# Altium PCB PCBv2.PcbDoc (part 2 of 2)
Units mil, origin at the board's own origin, x right, y up, seen from the top; angles counter-clockwise.
Board outline 3566.19 x 4857.71 mil, 2 copper layers (Top Layer, Bottom Layer), stack 42.17 mil thick; 108 components, 63 nets, 369 pads, 2924 vias.
Unrouted connection lines stored in the file: 1.
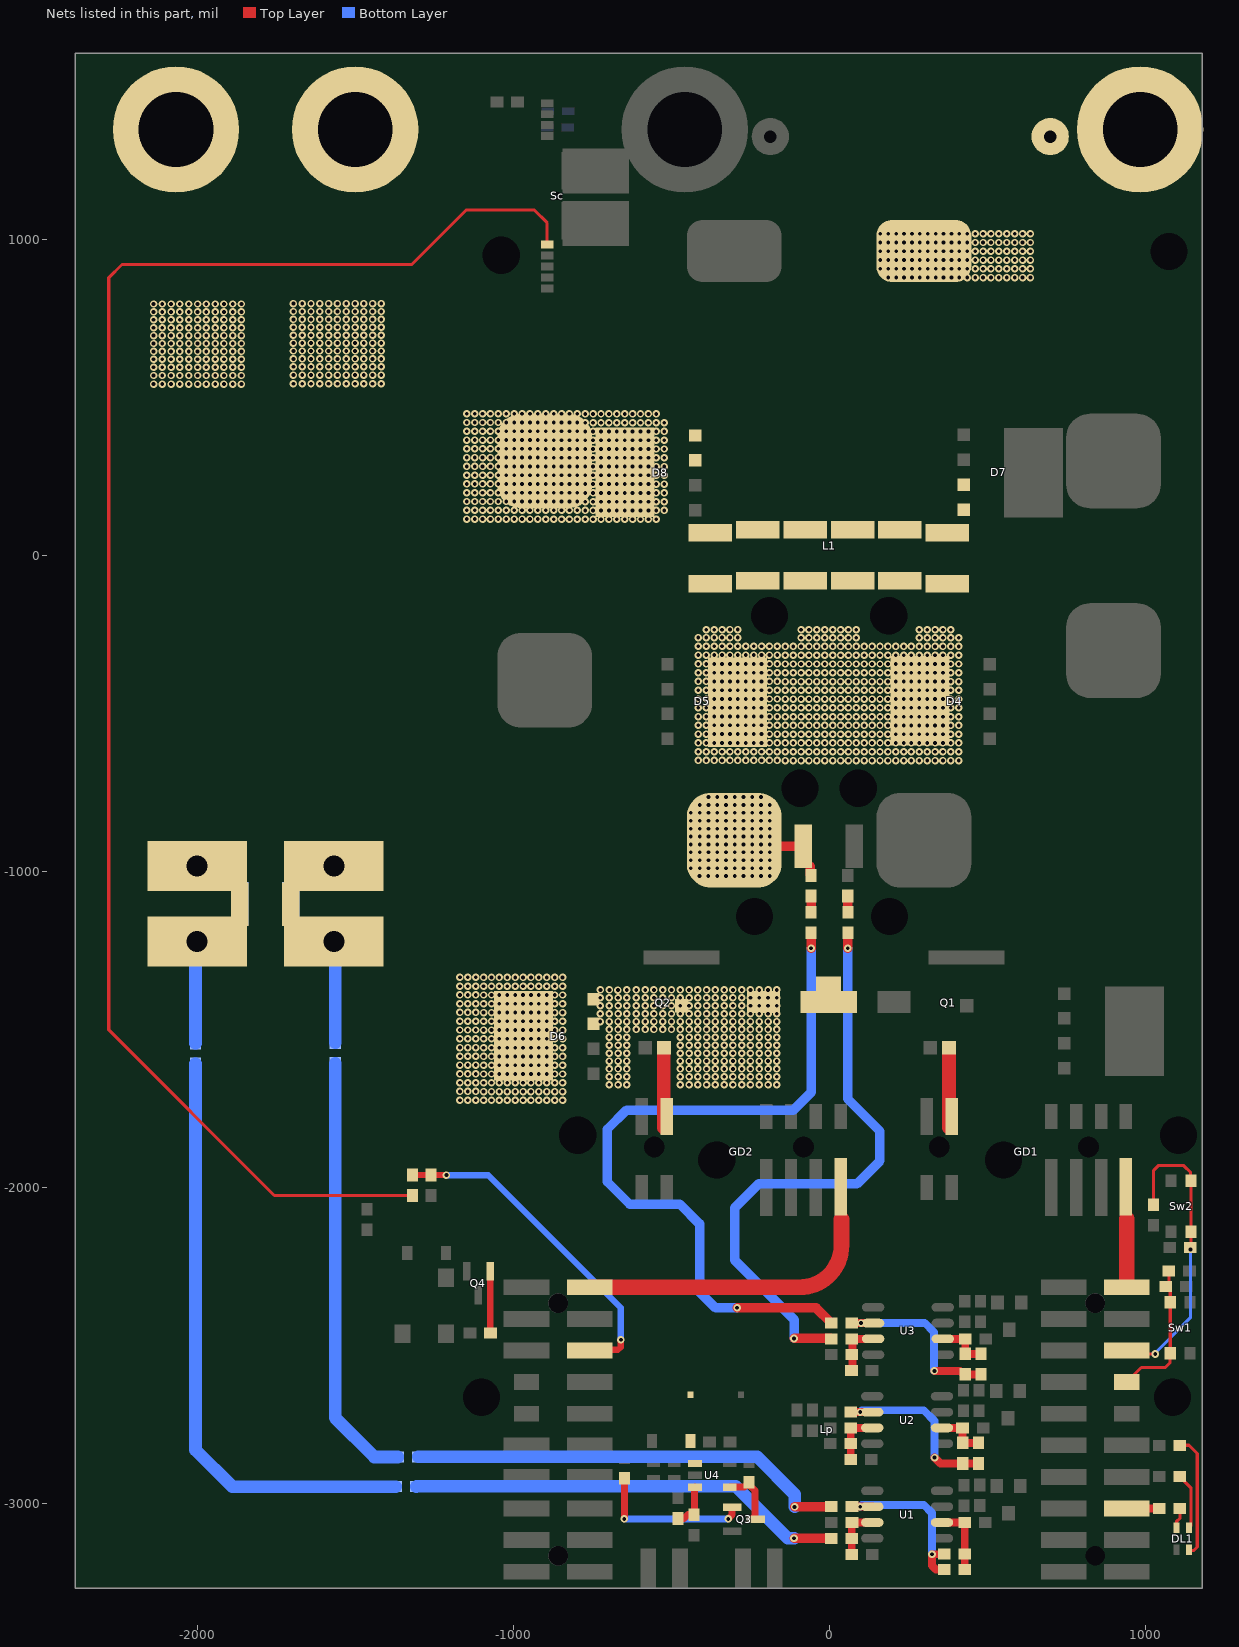
[diagram p2: the nets of this part, all layers, seen from the top]

## Via types
v1: diameter 23.62, hole 11.81, Top Layer to Bottom Layer, tented both sides, 2824 vias
v2: diameter 24, hole 12, Top Layer to Bottom Layer, tented both sides, 88 vias
v3: diameter 40, hole 24, Top Layer to Bottom Layer, tented both sides, 10 vias
v4: diameter 39.37, hole 19.68, Top Layer to Bottom Layer, 2 vias

## Nets (pads, with @x,y where several pads share a name; then routed paths per layer and width w, separated by ;. In a path a pad name is that pad's centre, name@x,y a point inside that pad or via, vN(x,y) a via of type N, cw(c..) or ccw(c..) an arc to the next point about the centre after c; other vN are vias at no path point) (continued)
NetD6_1: D6.1 D11.2 Q2.S
  other v1: -695.67,-1674 -667.89,-1674 -640.11,-1674 -471,-1674 -443.22,-1674 -415.44,-1674 -387.67,-1674 -359.89,-1674 -332.11,-1674 -304.33,-1674 -276.56,-1674 -248.78,-1674 -221,-1674 -193.22,-1674 -165.45,-1674 -695.67,-1649 -667.89,-1649 -640.11,-1649 -471,-1649 -443.22,-1649 -415.44,-1649 -387.67,-1649 -359.89,-1649 -332.11,-1649 -304.33,-1649 -276.56,-1649 -248.78,-1649 -221,-1649 -193.22,-1649 -165.45,-1649 -695.67,-1624 -667.89,-1624 -640.11,-1624 -471,-1624 -443.22,-1624 -415.44,-1624 -387.67,-1624 -359.89,-1624 -332.11,-1624 -304.33,-1624 -276.56,-1624 -248.78,-1624 -221,-1624 -193.22,-1624 -165.45,-1624 -695.67,-1599 -667.89,-1599 -640.11,-1599 -471,-1599 -443.22,-1599 -415.44,-1599 -387.67,-1599 -359.89,-1599 -332.11,-1599 -304.33,-1599 -276.56,-1599 -248.78,-1599 -221,-1599 -193.22,-1599 -165.45,-1599 -695.67,-1574 -667.89,-1574 -640.11,-1574 -471,-1574 -443.22,-1574 -415.44,-1574 -387.67,-1574 -359.89,-1574 -332.11,-1574 -304.33,-1574 -276.56,-1574 -248.78,-1574 -221,-1574 -193.22,-1574 -165.45,-1574 -695.67,-1549 -667.89,-1549 -640.11,-1549 -471,-1549 -443.22,-1549 -415.44,-1549 -387.67,-1549 -359.89,-1549 -332.11,-1549 -304.33,-1549 -276.56,-1549 -248.78,-1549 -221,-1549 -193.22,-1549 -165.45,-1549 -695.67,-1524 -667.89,-1524 -640.11,-1524 -471,-1524 -443.22,-1524 -415.44,-1524 -387.67,-1524 -359.89,-1524 -332.11,-1524 -304.33,-1524 -276.56,-1524 -248.78,-1524 -221,-1524 -193.22,-1524 -165.45,-1524 -695.67,-1499 -667.89,-1499 -640.11,-1499 -609.89,-1499 -582.11,-1499 -554.33,-1499 -526.56,-1499 -498.78,-1499 -471,-1499 -443.22,-1499 -415.44,-1499 -387.67,-1499 -359.89,-1499 -332.11,-1499 -304.33,-1499 -276.56,-1499 -248.78,-1499 -221,-1499 -193.22,-1499 -165.45,-1499 -724.22,-1474 -695.67,-1474 -667.89,-1474 -640.11,-1474 -609.89,-1474 -582.11,-1474 -554.33,-1474 -526.56,-1474 -498.78,-1474 -471,-1474 -443.22,-1474 -415.44,-1474 -387.67,-1474 -359.89,-1474 -332.11,-1474 -304.33,-1474 -276.56,-1474 -248.78,-1474 -221,-1474 -193.22,-1474 -165.45,-1474 -724.22,-1449 -695.67,-1449 -667.89,-1449 -640.11,-1449 -609.89,-1449 -582.11,-1449 -554.33,-1449 -526.56,-1449 -498.78,-1449 -471,-1449 -443.22,-1449 -415.44,-1449 -387.67,-1449 -359.89,-1449 -332.11,-1449 -304.33,-1449 -276.56,-1449 -248.78,-1449 -221,-1449 -193.22,-1449 -165.45,-1449 -724.22,-1424 -695.67,-1424 -667.89,-1424 -640.11,-1424 -609.89,-1424 -582.11,-1424 -554.33,-1424 -526.56,-1424 -498.78,-1424 -471,-1424 -443.22,-1424 -415.44,-1424 -387.67,-1424 -359.89,-1424 -332.11,-1424 -304.33,-1424 -276.56,-1424 -248.78,-1424 -221,-1424 -193.22,-1424 -165.45,-1424 -724.22,-1399 -695.67,-1399 -667.89,-1399 -640.11,-1399 -609.89,-1399 -582.11,-1399 -554.33,-1399 -526.56,-1399 -498.78,-1399 -471,-1399 -443.22,-1399 -415.44,-1399 -387.67,-1399 -359.89,-1399 -332.11,-1399 -304.33,-1399 -276.56,-1399 -248.78,-1399 -221,-1399 -193.22,-1399 -165.45,-1399 -723.78,-1374 -695.22,-1374 -668.22,-1374.28 -640.11,-1374 -609.89,-1374 -582.11,-1374 -554.33,-1374 -526.56,-1374 -498.78,-1374 -471,-1374 -443.22,-1374 -415.44,-1374 -387.67,-1374 -359.89,-1374 -332.11,-1374 -304.33,-1374 -276.56,-1374 -248.78,-1374 -221,-1374 -193.22,-1374 -165.45,-1374
NetD6_2: D6.2 D8.2 L1.4
  other v1: -1168.46,-1722.97 -1143.46,-1722.97 -1118.46,-1722.97 -1093.46,-1723.26 -1068.46,-1723.26 -1043.46,-1723.26 -1018.46,-1723.26 -993.46,-1723.26 -968.46,-1723.26 -943.46,-1723.26 -918.46,-1723.26 -893.46,-1723.26 -868.46,-1723.26 -843.46,-1723.26 -1168.46,-1695.19 -1143.46,-1695.19 -1118.46,-1695.19 -1093.46,-1695.48 -1068.46,-1695.48 -1043.46,-1695.48 -1018.46,-1695.48 -993.46,-1695.48 -968.46,-1695.48 -943.46,-1695.48 -918.46,-1695.48 -893.46,-1695.48 -868.46,-1695.48 -843.46,-1695.48 -1168.46,-1667.41 -1143.46,-1667.41 -1118.46,-1667.41 -1093.46,-1667.71 -1068.46,-1667.71 -1043.46,-1667.71 -1018.46,-1667.71 -993.46,-1667.71 -968.46,-1667.71 -943.46,-1667.71 -918.46,-1667.71 -893.46,-1667.71 -868.46,-1667.71 -843.46,-1667.71 -1093.46,-1639.89 -1068.46,-1639.89 -1043.46,-1639.89 -1018.46,-1639.89 -993.46,-1639.89 -968.46,-1639.89 -943.46,-1639.89 -918.46,-1639.89 -893.46,-1639.89 -868.46,-1639.89 -843.46,-1639.89 -1168.46,-1639.59 -1143.46,-1639.59 -1118.46,-1639.59 -1168.46,-1611.82 -1143.46,-1611.82 -1118.46,-1611.82 -1093.46,-1612.11 -1068.46,-1612.11 -1043.46,-1612.11 -1018.46,-1612.11 -993.46,-1612.11 -968.46,-1612.11 -943.46,-1612.11 -918.46,-1612.11 -893.46,-1612.11 -868.46,-1612.11 -843.46,-1612.11 -1168.46,-1584.04 -1143.46,-1584.04 -1118.46,-1584.04 -1093.46,-1584.33 -1068.46,-1584.33 -1043.46,-1584.33 -1018.46,-1584.33 -993.46,-1584.33 -968.46,-1584.33 -943.46,-1584.33 -918.46,-1584.33 -893.46,-1584.33 -868.46,-1584.33 -843.46,-1584.33 -1168.46,-1556.26 -1143.46,-1556.26 -1118.46,-1556.26 -1093.46,-1556.55 -1068.46,-1556.55 -1043.46,-1556.55 -1018.46,-1556.55 -993.46,-1556.55 -968.46,-1556.55 -943.46,-1556.55 -918.46,-1556.55 -893.46,-1556.55 -868.46,-1556.55 -843.46,-1556.55 -1168.46,-1528.48 -1143.46,-1528.48 -1118.46,-1528.48 -1093.46,-1528.78 -1068.46,-1528.78 -1043.46,-1528.78 -1018.46,-1528.78 -993.46,-1528.78 -968.46,-1528.78 -943.46,-1528.78 -918.46,-1528.78 -893.46,-1528.78 -868.46,-1528.78 -843.46,-1528.78 -1093.46,-1501 -1068.46,-1501 -1043.46,-1501 -1018.46,-1501 -993.46,-1501 -968.46,-1501 -943.46,-1501 -918.46,-1501 -893.46,-1501 -868.46,-1501 -843.46,-1501 -1168.46,-1500.7 -1143.46,-1500.7 -1118.46,-1500.7 -1168.46,-1472.93 -1143.46,-1472.93 -1118.46,-1472.93 -1093.46,-1473.22 -1068.46,-1473.22 -1043.46,-1473.22 -1018.46,-1473.22 -993.46,-1473.22 -968.46,-1473.22 -943.46,-1473.22 -918.46,-1473.22 -893.46,-1473.22 -868.46,-1473.22 -843.46,-1473.22 -1168.46,-1445.15 -1143.46,-1445.15 -1118.46,-1445.15 -1093.46,-1445.44 -1068.46,-1445.44 -1043.46,-1445.44 -1018.46,-1445.44 -993.46,-1445.44 -968.46,-1445.44 -943.46,-1445.44 -918.46,-1445.44 -893.46,-1445.44 -868.46,-1445.44 -843.46,-1445.44 -1168.46,-1417.37 -1143.46,-1417.37 -1118.46,-1417.37 -1093.46,-1417.66 -1068.46,-1417.66 -1043.46,-1417.66 -1018.46,-1417.66 -993.46,-1417.66 -968.46,-1417.66 -943.46,-1417.66 -918.46,-1417.66 -893.46,-1417.66 -868.46,-1417.66 -843.46,-1417.66 -1093.46,-1389.89 -1068.46,-1389.89 -1043.46,-1389.89 -1018.46,-1389.89 -993.46,-1389.89 -968.46,-1389.89 -943.46,-1389.89 -918.46,-1389.89 -893.46,-1389.89 -868.46,-1389.89 -843.46,-1389.89 -1168.46,-1389.59 -1143.46,-1389.59 -1118.46,-1389.59 -1168.46,-1361.82 -1143.46,-1361.82 -1118.46,-1361.82 -1093.46,-1362.11 -1068.46,-1362.11 -1043.46,-1362.11 -1018.46,-1362.11 -993.46,-1362.11 -968.46,-1362.11 -943.46,-1362.11 -918.46,-1362.11 -893.46,-1362.11 -868.46,-1362.11 -843.46,-1362.11 -1168.46,-1334.04 -1143.46,-1334.04 -1118.46,-1334.04 -1093.46,-1334.33 -1068.46,-1334.33 -1043.46,-1334.33 -1018.46,-1334.33 -993.46,-1334.33 -968.46,-1334.33 -943.46,-1334.33 -918.46,-1334.33 -893.46,-1334.33 -868.46,-1334.33 -843.46,-1334.33 -896.81,116.11 -871.81,116.11 -846.81,116.11 -846.81,116.11 -821.81,116.11 -796.81,116.11 -771.81,115.82 -746.81,115.82 -721.81,115.82 -696.81,115.82 -671.81,115.82 -646.81,115.82 -621.81,115.82 -596.81,115.82 -571.81,115.82 -546.81,115.82 -1146.81,116.4 -1121.81,116.4 -1096.81,116.4 -1071.81,116.4 -1046.81,116.4 -1021.81,116.4 -996.81,116.4 -971.81,116.4 -946.81,116.4 -921.81,116.4 -1146.81,144.18 -1121.81,144.18 -1096.81,144.18 -1071.81,144.18 -1046.81,144.18 -1021.81,144.18 -996.81,144.18 -971.81,144.18 -946.81,144.18 -921.81,144.18 -896.81,143.89 -871.81,143.89 -846.81,143.93 -846.81,143.89 -821.81,143.93 -796.81,143.93 -771.81,143.63 -746.81,143.63 -721.81,143.63 -696.81,143.63 -671.81,143.63 -646.81,143.63 -621.81,143.63 -596.81,143.63 -571.81,143.63 -546.81,143.63 -521.81,143.63 -1146.81,171.96 -1121.81,171.96 -1096.81,171.96 -1071.81,171.96 -1046.81,171.96 -1021.81,171.96 -996.81,171.96 -971.81,171.96 -946.81,171.96 -921.81,171.96 -896.81,171.66 -871.81,171.66 -846.81,171.71 -846.81,171.66 -821.81,171.71 -796.81,171.71 -771.81,171.41 -746.81,171.41 -721.81,171.41 -696.81,171.41 -671.81,171.41 -646.81,171.41 -621.81,171.41 -596.81,171.41 -571.81,171.41 -546.81,171.41 -521.81,171.41 -771.81,199.19 -746.81,199.19 -721.81,199.19 -696.81,199.19 -671.81,199.19 -646.81,199.19 -621.81,199.19 -596.81,199.19 -571.81,199.19 -546.81,199.19 -521.81,199.19 -1146.81,199.73 -1121.81,199.73 -1096.81,199.73 -1071.81,199.73 -1046.81,199.73 -1021.81,199.73 -996.81,199.73 -971.81,199.73 -946.81,199.73 -921.81,199.73 -896.81,199.44 -871.81,199.44 -846.81,199.44 -846.81,199.48 -821.81,199.48 -796.81,199.48 -896.81,227.22 -871.81,227.22 -846.81,227.22 -771.81,226.97 -746.81,226.97 -721.81,226.97 -696.81,226.97 -671.81,226.97 -646.81,226.97 -621.81,226.97 -596.81,226.97 -571.81,226.97 -546.81,226.97 -521.81,226.97 -1146.81,227.51 -1121.81,227.51 -1096.81,227.51 -1071.81,227.51 -1046.81,227.51 -1021.81,227.51 -996.81,227.51 -971.81,227.51 -946.81,227.51 -921.81,227.51 -846.81,227.26 -821.81,227.26 -796.81,227.26 -896.81,255 -871.81,255 -846.81,255.04 -846.81,255 -821.81,255.04 -796.81,255.04 -771.81,254.75 -746.81,254.75 -721.81,254.75 -696.81,254.75 -671.81,254.75 -646.81,254.75 -621.81,254.75 -596.81,254.75 -571.81,254.75 -546.81,254.75 -521.81,254.75 -1146.81,255.29 -1121.81,255.29 -1096.81,255.29 -1071.81,255.29 -1046.81,255.29 -1021.81,255.29 -996.81,255.29 -971.81,255.29 -946.81,255.29 -921.81,255.29 -1146.81,283.07 -1121.81,283.07 -1096.81,283.07 -1071.81,283.07 -1046.81,283.07 -1021.81,283.07 -996.81,283.07 -971.81,283.07 -946.81,283.07 -921.81,283.07 -896.81,282.77 -871.81,282.77 -846.81,282.77 -846.81,282.82 -821.81,282.82 -796.81,282.82 -771.81,282.52 -746.81,282.52 -721.81,282.52 -696.81,282.52 -671.81,282.52 -646.81,282.52 -621.81,282.52 -596.81,282.52 -571.81,282.52 -546.81,282.52 -521.81,282.52 -1146.81,310.85 -1121.81,310.85 -1096.81,310.85 -1071.81,310.85 -1046.81,310.85 -1021.81,310.85 -996.81,310.85 -971.81,310.85 -946.81,310.85 -921.81,310.85 -896.81,310.55 -871.81,310.55 -846.81,310.59 -846.81,310.55 -821.81,310.59 -796.81,310.59 -771.81,310.3 -746.81,310.3 -721.81,310.3 -696.81,310.3 -671.81,310.3 -646.81,310.3 -621.81,310.3 -596.81,310.3 -571.81,310.3 -546.81,310.3 -521.81,310.3 -771.81,338.08 -746.81,338.08 -721.81,338.08 -696.81,338.08 -671.81,338.08 -646.81,338.08 -621.81,338.08 -596.81,338.08 -571.81,338.08 -546.81,338.08 -521.81,338.08 -1146.81,338.62 -1121.81,338.62 -1096.81,338.62 -1071.81,338.62 -1046.81,338.62 -1021.81,338.62 -996.81,338.62 -971.81,338.62 -946.81,338.62 -921.81,338.62 -896.81,338.33 -871.81,338.33 -846.81,338.33 -846.81,338.37 -821.81,338.37 -796.81,338.37 -896.81,366.11 -871.81,366.11 -846.81,366.11 -846.81,366.15 -821.81,366.15 -796.81,366.15 -771.81,365.86 -746.81,365.86 -721.81,365.86 -696.81,365.86 -671.81,365.86 -646.81,365.86 -621.81,365.86 -596.81,365.86 -571.81,365.86 -546.81,365.86 -521.81,365.86 -1146.81,366.4 -1121.81,366.4 -1096.81,366.4 -1071.81,366.4 -1046.81,366.4 -1021.81,366.4 -996.81,366.4 -971.81,366.4 -946.81,366.4 -921.81,366.4 -1146.81,394.22 -1121.81,394.22 -1096.81,394.22 -1071.81,394.22 -1046.81,394.22 -1021.81,394.22 -996.81,394.22 -971.81,394.22 -946.81,394.22 -921.81,394.22 -896.81,393.93 -871.81,393.93 -846.81,393.93 -846.81,393.93 -821.81,393.93 -796.81,393.93 -771.81,393.63 -746.81,393.63 -721.81,393.63 -696.81,393.63 -671.81,393.63 -646.81,393.63 -621.81,393.63 -596.81,393.63 -571.81,393.63 -546.81,393.63 -521.81,393.63 -1146.81,422 -1121.81,422 -1096.81,422 -1071.81,422 -1046.81,422 -1021.81,422 -996.81,422 -971.81,422 -946.81,422 -921.81,422 -896.81,421.7 -871.81,421.7 -846.81,421.7 -846.81,421.7 -821.81,421.7 -796.81,421.7 -771.81,421.41 -746.81,421.41 -721.81,421.41 -696.81,421.41 -671.81,421.41 -646.81,421.41 -621.81,421.41 -596.81,421.41 -571.81,421.41 -546.81,421.41 -521.81,421.41 -771.81,449.19 -746.81,449.19 -721.81,449.19 -696.81,449.19 -671.81,449.19 -646.81,449.19 -621.81,449.19 -596.81,449.19 -571.81,449.19 -546.81,449.19 -1146.81,449.78 -1121.81,449.78 -1096.81,449.78 -1071.81,449.78 -1046.81,449.78 -1021.81,449.78 -996.81,449.78 -971.81,449.78 -946.81,449.78 -921.81,449.78 -896.81,449.48 -871.81,449.48 -846.81,449.48 -846.81,449.48 -821.81,449.48 -796.81,449.48
NetD9_A: D9.A L2.2 U4.1
NetDL1_B: DL1.B R36.2 | length 397.5
  Top Layer w10: R36.2@1109.5,-2815 1139,-2815 1165,-2841 1165,-3137 1154,-3148 1141.24,-3148 DL1.B@1138.69,-3145.45 DL1.B@1140.99,-3143.14
NetDL1_G: DL1.G R35.2 | length 181.3
  Top Layer w10: R35.2@1109.5,-2914 1112,-2914 1124.5,-2926.5 1124.5,-2929 1145,-2949.5 1145,-3070.24 DL1.G@1138.69,-3076.55
NetDL1_R: DL1.R R34.2 | length 76.9
  Top Layer w10: DL1.R@1101,-3078.24 DL1.R@1099.32,-3076.55 1099.32,-3056.68 1111,-3045 1111,-3016.75 R34.2@1109.5,-3015.25 R34.2@1101.72,-3015.25
NetLp_8a: Lp.8a R42.1 R43.2 | length 1060.1
  Top Layer w20: R42.1@-1318,-1959.5 R43.2@-1260,-1959.5 -1259.75,-1959.75 -1211.25,-1959.75 v2(-1211,-1960) ; Lp.8a@-757.65,-2515 -755.65,-2513 -668.48,-2513 -659.77,-2504.28 -659.77,-2481.77 v2(-659,-2481)
  Bottom Layer w20: v2(-1211,-1960) -1079,-1960 -659,-2380 v2(-659,-2481)
NetQ3_1: Q3.1 R30.2 | length 499.3
  Top Layer w22: v2(-648,-3048) R30.2@-648,-2919.5 ; v2(-319,-3048) -319,-3047.46 -307.6,-3036.06 -307.6,-3012.41 -306.79,-3011.6 Q3.1@-306.4,-3011.6
  Bottom Layer w22: v2(-648,-3048) v2(-319,-3048)
NetQ3_3: Q3.3 R29.1 U4.4 | length 185.1
  Top Layer w22: U4.4@-313.88,-2947.4 -313.07,-2946.59 -268.09,-2946.59 R29.1@-262,-2940.5 ; R29.1@-253,-2931.5 -253,-2940.5 -235,-2958.5 -235,-3039.4 Q3.3@-245.6,-3050
NetQ4_1: Q4.1 R33.2@-1071.5,-2459 | length 194.9
  Top Layer w20: Q4.1@-1072.6,-2264.6 -1072.05,-2265.15 -1072.05,-2458.45 R33.2@-1071.5,-2459
NetR1_1: R1.1 R7.2 R31.1 U1.6 | length 220.7
  Top Layer w25: U1.6@357.32,-3059.28 R7.2@429.3,-3059.28 R1.1@429.3,-3158.5 R31.1@429.3,-3208
NetR1_2: R1.2 R3.2 R31.2 U1.2 | length 553.7
  Top Layer w25: R3.2@72.3,-3009.28 v2(98.8,-3009.28) U1.2@136.84,-3009.28 ; R1.2@364.3,-3158.5 363.07,-3159.73 v2(325.8,-3159.73) 325.8,-3195.8 338,-3208 R31.2@364.5,-3208
  Bottom Layer w25: v2(98.8,-3009.28) 104.58,-3003.5 299.64,-3003.5 325.8,-3029.66 v2(325.8,-3159.73)
NetR2_1: R2.1 R8.2 R32.1 U2.6 | length 163
  Top Layer w25: U2.6@357.09,-2760 R8.2@422.35,-2760 422.68,-2760.33 422.68,-2807.18 R2.1@423,-2807.5 R32.1@473,-2807.5
NetR2_2: R2.2 R4.1 R32.2 U2.2 | length 585.4
  Top Layer w25: R4.1@72.07,-2710 v2(98.57,-2710) U2.2@136.61,-2710 ; v2(333.85,-2854) 352.35,-2872.5 R2.2@423,-2872.5 R32.2@473,-2872.5 ; R2.2@423,-2880.15 425.22,-2877.93 R2.2@428.72,-2877.93
  Bottom Layer w25: v2(98.57,-2710) 104.35,-2704.22 299.64,-2704.22 333.85,-2738.43 v2(333.85,-2854)
NetR3_1: R3.1 R6.2 | length 1396.4
  Top Layer w30: v2(-109,-3010) R3.1@6.58,-3010
  Bottom Layer w40: R6.2@-1300.5,-2851 -228,-2851 -109,-2970 v2(-109,-3010)
NetR5_2: R5.2 R6.1 | length 1370.4
  Bottom Layer w40: R5.2@-1563,-1606.5 -1563,-2728 -1439,-2852 R6.1@-1365.5,-2852
NetR9_2: R9.2 R10.1 | length 1904.2
  Bottom Layer w40: R9.2@-2005,-1607.3 -2005,-2830 -1889,-2946 R10.1@-1371.5,-2946
NetR10_2: R10.2 R11.1 | length 1381.6
  Top Layer w30: v2(-111,-3109) 5.3,-3109 R11.1@6.3,-3110
  Bottom Layer w40: R10.2@-1306.5,-2946 -1305.5,-2945 -295,-2945 -131,-3109 v2(-111,-3109)
NetR11_2: R11.2 R14.2 R25.2 U1.3 | length 165.7
  Top Layer w25: R14.2@71.3,-3160 71.8,-3159.5 71.8,-3110 71.8,-3066.5 71.8,-3059.78 R25.2@72.3,-3059.28 U1.3@136.84,-3059.28
NetR12_1: R12.1 R13.1 R24.1 U2.3 | length 172.1
  Top Layer w25: R13.1@71.07,-2860.72 68.57,-2863.22 68.57,-2860 68.57,-2767.22 71.22,-2761.28 71.57,-2760.5 72.07,-2760 U2.3@136.61,-2760
NetR15_1: R15.1 R19.2 R33.1@481,-2525.5 U3.6 | length 169.5
  Top Layer w25: U3.6@359.86,-2478.28 R19.2@430.92,-2478.28 ; R19.2@430.85,-2478 430.92,-2478.08 R19.2@430.92,-2478.28 ; R19.2@431.85,-2478.28 R19.2@430.92,-2478.28 ; R33.1@481,-2525.5 R15.1@431,-2525.5 430.92,-2525.42 R19.2@430.92,-2478.28
NetR15_2: R15.2 R18.2 R33.2@481,-2590.5 U3.2 | length 588.2
  Top Layer w25: R18.2@74.85,-2428.28 v2(101.35,-2428.28) U3.2@139.39,-2428.28 ; v2(333.35,-2579.5) 414.05,-2579.5 417.55,-2583 426,-2583 428.05,-2585.05 428.05,-2593.5 R15.2@430.05,-2591.5 ; R15.2@431,-2590.5 R33.2@481,-2590.5
  Bottom Layer w25: v2(101.35,-2428.28) 102.12,-2427.5 302.5,-2427.5 332.35,-2457.35 v2@332.35,-2579
NetR16_2: R16.2 R17.1 | length 51
  Top Layer w30: R17.1@-57,-1127.5 R16.2@-57,-1076.5
NetR17_2: R17.2 R18.1 | length 2385.6
  Top Layer w30: v2(-291,-2380) -41.15,-2380 R18.1@6.85,-2428 ; R17.2@-58.56,-1192.5 -57,-1194.06 v2(-57,-1242)
  Bottom Layer w30: v2(-291,-2380) -359,-2380 -409.62,-2329.38 -409.62,-2114.38 -472,-2052 -631,-2052 -702,-1981 -702,-1815 -641,-1754 -113,-1754 -57,-1698 v2(-57,-1242)
NetR20_2: R20.2 R21.1 | length 51.4
  Top Layer w30: R20.2@59,-1076.5 59.5,-1077 59.5,-1127 R21.1@60,-1127.5
NetR21_2: R21.2 R22.1 | length 1887.3
  Top Layer w30: v2(-111,-2477) 5.85,-2477 R22.1@6.85,-2478 ; v2(59,-1242) 59,-1205 61,-1203 R21.2@60,-1202
  Bottom Layer w30: v2(-111,-2477) -111,-2417 -299,-2229 -299,-2064 -223,-1988 88,-1988 161,-1915 161,-1821 59,-1719 v2(59,-1242)
NetR22_2: R22.2 R23.2 R28.1 U3.3 | length 165.7
  Top Layer w25: R23.2@73.85,-2579 74.35,-2578.5 74.35,-2529 74.35,-2485.5 74.35,-2478.78 74.85,-2478.28 U3.3@139.39,-2478.28
NetR26_1: R26.1 R27.2 U4.3 | length 145.5
  Top Layer w22: R27.2@-478,-3046.5 -477.5,-3047 -459,-3047 -446,-3034 -427.5,-3034 R26.1@-427,-3034.5 -425.56,-3033.06 -425.56,-2948.21 -424.75,-2947.4 U4.3@-424.12,-2947.4
Neutro: CdV.2 Cin.2 L1.N R16.1 RN.1 | length 376
  Top Layer w30: L1.N@-300,-899.99 -280.99,-919 CdV.2@-81.46,-919 -81.46,-960.34 -59.5,-982.3 -59.5,-1009 R16.1@-57,-1011.5 ; L1.N@-278.61,-921.38 L1.N@-266.11,-933.88 ; L1.N@-253.61,-946.38 L1.N@-239.72,-960.27 ; L1.N@-227.22,-972.77 L1.N@-220.43,-979.56
  other v1: -409.91,-1013.5 -382.13,-1013.5 -354.36,-1013.5 -326.58,-1013.5 -298.8,-1013.5 -271.02,-1013.5 -243.25,-1013.5 -215.47,-1013.5 -187.69,-1013.5 -437.4,-988.5 -409.62,-988.5 -381.84,-988.5 -354.06,-988.5 -326.28,-988.5 -298.51,-988.5 -270.73,-988.5 -242.95,-988.5 -215.17,-988.5 -187.4,-988.5 -437.4,-963.5 -409.62,-963.5 -381.84,-963.5 -354.06,-963.5 -326.28,-963.5 -298.51,-963.5 -270.73,-963.5 -242.95,-963.5 -215.17,-963.5 -187.4,-963.5 -437.4,-938.5 -409.62,-938.5 -381.84,-938.5 -354.06,-938.5 -326.28,-938.5 -298.51,-938.5 -270.73,-938.5 -242.95,-938.5 -215.17,-938.5 -187.4,-938.5 -437.4,-913.5 -409.62,-913.5 -381.84,-913.5 -354.06,-913.5 -326.28,-913.5 -298.51,-913.5 -270.73,-913.5 -242.95,-913.5 -215.17,-913.5 -187.4,-913.5 -437.4,-888.5 -409.62,-888.5 -381.84,-888.5 -354.06,-888.5 -326.28,-888.5 -298.51,-888.5 -270.73,-888.5 -242.95,-888.5 -215.17,-888.5 -187.4,-888.5 -437.4,-863.5 -409.62,-863.5 -381.84,-863.5 -354.06,-863.5 -326.28,-863.5 -298.51,-863.5 -270.73,-863.5 -242.95,-863.5 -215.17,-863.5 -187.4,-863.5 -437.4,-838.5 -409.62,-838.5 -381.84,-838.5 -354.06,-838.5 -326.28,-838.5 -298.51,-838.5 -270.73,-838.5 -242.95,-838.5 -215.17,-838.5 -187.4,-838.5 -437.4,-813.5 -409.62,-813.5 -381.84,-813.5 -354.06,-813.5 -326.28,-813.5 -298.51,-813.5 -270.73,-813.5 -242.95,-813.5 -215.17,-813.5 -187.4,-813.5 -409.62,-788.5 -381.84,-788.5 -354.06,-788.5 -326.28,-788.5 -298.51,-788.5 -270.73,-788.5 -242.95,-788.5 -215.17,-788.5 -187.4,-788.5 -381.84,-763.5 -354.06,-763.5 -326.28,-763.5 -298.51,-763.5 -270.73,-763.5 -242.95,-763.5 -215.17,-763.5 187.2,880.51 212.2,880.51 237.2,880.51 262.2,880.51 287.2,880.51 312.2,880.51 337.2,880.51 362.2,880.51 387.2,880.51 412.2,880.51 437.2,880.51 462.2,880.51 487.2,880.51 512.2,880.51 537.2,880.51 562.2,880.51 587.2,880.51 612.2,880.51 637.2,880.51 162.2,908.28 187.2,908.28 212.2,908.28 237.2,908.28 262.2,908.28 287.2,908.28 312.2,908.28 337.2,908.28 362.2,908.28 387.2,908.28 412.2,908.28 437.2,908.28 462.2,908.28 487.2,908.28 512.2,908.28 537.2,908.28 562.2,908.28 587.2,908.28 612.2,908.28 637.2,908.28 162.2,936.06 187.2,936.06 212.2,936.06 237.2,936.06 262.2,936.06 287.2,936.06 312.2,936.06 337.2,936.06 362.2,936.06 387.2,936.06 412.2,936.06 437.2,936.06 462.2,936.06 487.2,936.06 512.2,936.06 537.2,936.06 562.2,936.06 587.2,936.06 612.2,936.06 637.2,936.06 162.2,963.84 187.2,963.84 212.2,963.84 237.2,963.84 262.2,963.84 287.2,963.84 312.2,963.84 337.2,963.84 362.2,963.84 387.2,963.84 412.2,963.84 437.2,963.84 462.2,963.84 487.2,963.84 512.2,963.84 537.2,963.84 562.2,963.84 587.2,963.84 612.2,963.84 637.2,963.84 162.2,991.62 187.2,991.62 212.2,991.62 237.2,991.62 262.2,991.62 287.2,991.62 312.2,991.62 337.2,991.62 362.2,991.62 387.2,991.62 412.2,991.62 437.2,991.62 462.2,991.62 487.2,991.62 512.2,991.62 537.2,991.62 562.2,991.62 587.2,991.62 612.2,991.62 637.2,991.62 162.2,1019.4 187.2,1019.4 212.2,1019.4 237.2,1019.4 262.2,1019.4 287.2,1019.4 312.2,1019.4 337.2,1019.4 362.2,1019.4 387.2,1019.4 412.2,1019.4 437.2,1019.4 462.2,1019.4 487.2,1019.4 512.2,1019.4 537.2,1019.4 562.2,1019.4 587.2,1019.4 612.2,1019.4 637.2,1019.4
OverC: R42.2 Sc.7 | length 5121
  Top Layer w10: R42.2@-1318,-2024.5 -1755.5,-2024.5 -2280,-1500 -2280,880 -2238,922 -1320.46,922 -1147.46,1095 -934,1095 -892.56,1053.56 Sc.7@-892.56,985.5
PUSH_+: C10.1 Lp.8 R38.1 Sw2.1 | length 982.5
  Top Layer w10: Lp.8@942.35,-2515 953.35,-2526 v2(1032,-2526) ; C10.1@1014.5,-2068.5 1027,-2056 C10.1@1027,-2053.5 1027,-1945 1042,-1930 1123,-1930 1144,-1951 1144,-1975.8 Sw2.1@1145.5,-1977.29 Sw2.1@1145.5,-2138.71 1145.5,-2193 v2(1143.5,-2195) ; Sw2.1@1143.5,-2140.7 Sw2.1@1143.5,-2134.74
  Bottom Layer w10: v2@1030.5,-2524.5 1143.5,-2411.5 v2(1143.5,-2195)
PUSH_-: C9.1 Lp.7 R37.1 Sw1.1 | length 464
  Top Layer w10: Lp.7@942.35,-2615 988.35,-2569 1064,-2569 1079,-2554 1079,-2524.21 Sw1.1@1079.5,-2523.71 Sw1.1@1079.5,-2362.29 1079.5,-2324.5 1067,-2312 R37.1@1065.5,-2312 1075.5,-2302 C9.1@1075.5,-2263
PWM_SCN: GD2.1 Lp.10a | length 955
  Top Layer w50: Lp.10a@-757.65,-2315 -93,-2315 ccw(c-93,-2183) 39,-2183 39,-2100
PWM_SCP: GD1.1 Lp.10 | length 217
  Top Layer w50: Lp.10@942.35,-2315 942.35,-2098
R: Lp.3 R34.1 | length 87.3
  Top Layer w25: Lp.3@942.35,-3015 942.6,-3015.25 R34.1@1029.5,-3015.25
SS_SCN: GD2.@-514.22,-1774.53 Q2.SS | length 253
  Top Layer w43: GD2.@-522.71,-1810 -522.71,-1557.23 Q2.SS@-522.56,-1557.07
SS_SCP: GD1.@388.37,-1774.54 Q1.SS | length 252.8
  Top Layer w43: GD1.@379.44,-1809.84 Q1.SS@379.44,-1557.06
Voutn: C22.2 C23.2 C24.2 C25.2 C26.2 C27.2 C28.2 C29.2 Cb1.2 Cb2.2 Cb3.2 Cb4.2 D7.1 D8.1 D10.1 D11.1 pad.10 R5.1 R-.1 | length 322.2
  Top Layer w40: Cb2.2@-1567.12,-1221 Cb2.2@-1563,-1225.12
  Bottom Layer w40: R5.1@-1563,-1541.5 Cb2.2@-1563,-1225.12
  other v1: -1695.22,545 -1667.45,545 -1639.67,545 -1611.89,545 -1584.11,545 -1555.89,545 -1528.11,545 -1500.34,545 -1472.56,545 -1444.78,545 -1417,545 -1695.22,572 -1667.45,572 -1639.67,572 -1611.89,572 -1584.11,572 -1555.89,572 -1528.11,572 -1500.34,572 -1472.56,572 -1444.78,572 -1417,572 -1695.22,598.3 -1667.45,598.3 -1639.67,598.3 -1611.89,598.3 -1584.11,598.3 -1555.89,598.3 -1528.11,598.3 -1500.34,598.3 -1472.56,598.3 -1444.78,598.3 -1417,598.3 -1695.22,623.3 -1667.45,623.3 -1639.67,623.3 -1611.89,623.3 -1584.11,623.3 -1555.89,623.3 -1528.11,623.3 -1500.34,623.3 -1472.56,623.3 -1444.78,623.3 -1417,623.3 -1695.22,648.3 -1667.45,648.3 -1639.67,648.3 -1611.89,648.3 -1584.11,648.3 -1555.89,648.3 -1528.11,648.3 -1500.34,648.3 -1472.56,648.3 -1444.78,648.3 -1417,648.3 -1695.22,673.3 -1667.45,673.3 -1639.67,673.3 -1611.89,673.3 -1584.11,673.3 -1555.89,673.3 -1528.11,673.3 -1500.34,673.3 -1472.56,673.3 -1444.78,673.3 -1417,673.3 -1695.22,698.3 -1667.45,698.3 -1639.67,698.3 -1611.89,698.3 -1584.11,698.3 -1555.89,698.3 -1528.11,698.3 -1500.34,698.3 -1472.56,698.3 -1444.78,698.3 -1417,698.3 -1695.22,723.3 -1667.45,723.3 -1639.67,723.3 -1611.89,723.3 -1584.11,723.3 -1555.89,723.3 -1528.11,723.3 -1500.34,723.3 -1472.56,723.3 -1444.78,723.3 -1417,723.3 -1695.22,748.3 -1667.45,748.3 -1639.67,748.3 -1611.89,748.3 -1584.11,748.3 -1555.89,748.3 -1528.11,748.3 -1500.34,748.3 -1472.56,748.3 -1444.78,748.3 -1417,748.3 -1695.22,773.3 -1667.45,773.3 -1639.67,773.3 -1611.89,773.3 -1584.11,773.3 -1555.89,773.3 -1528.11,773.3 -1500.34,773.3 -1472.56,773.3 -1444.78,773.3 -1417,773.3 -1695.22,798.3 -1667.45,798.3 -1639.67,798.3 -1611.89,798.3 -1584.11,798.3 -1555.89,798.3 -1528.11,798.3 -1500.34,798.3 -1472.56,798.3 -1444.78,798.3 -1417,798.3
VoutP: C22.1 C23.1 C24.1 C25.1 C26.1 C27.1 C28.1 C29.1 Cb1.1 Cb2.1 Cb3.1 Cb4.1 D4.2 D5.2 R9.1 R+.1 | length 323.3
  Top Layer w40: Cb2.1@-2005,-1225.81 Cb2.1@-2000.19,-1221
  Bottom Layer w40: R9.1@-2005,-1542.3 Cb2.1@-2005,-1225.81
  other v1: -138.65,-647.86 -113.65,-647.86 -88.65,-647.86 -63.65,-647.86 -38.65,-647.86 -13.65,-647.86 11.35,-647.86 36.35,-647.86 61.35,-647.86 86.35,-647.86 111.35,-647.86 136.11,-647.86 161.11,-647.86 186.11,-647.86 211.11,-647.86 236.11,-647.86 260.35,-647.86 285.35,-647.86 310.35,-647.86 335.35,-647.86 360.35,-647.86 385.35,-647.86 410.35,-647.86 -413.65,-647.57 -388.65,-647.57 -363.65,-647.57 -338.65,-647.57 -313.65,-647.57 -288.65,-647.57 -263.65,-647.57 -238.65,-647.57 -213.65,-647.57 -188.65,-647.57 -163.65,-647.57 -413.65,-619.79 -388.65,-619.79 -363.65,-619.79 -338.65,-619.79 -313.65,-619.79 -288.65,-619.79 -263.65,-619.79 -238.65,-619.79 -213.65,-619.79 -188.65,-619.79 -163.65,-619.79 -138.65,-620.09 -113.65,-620.09 -88.65,-620.09 -63.65,-620.09 -38.65,-620.09 -13.65,-620.09 11.35,-620.09 36.35,-620.09 61.35,-620.09 86.35,-620.09 111.35,-620.09 136.11,-620.09 161.11,-620.09 186.11,-620.09 211.11,-620.09 236.11,-620.09 260.35,-620.09 285.35,-620.09 310.35,-620.09 335.35,-620.09 360.35,-620.09 385.35,-620.09 410.35,-620.09 -413.65,-592.02 -388.65,-592.02 -363.65,-592.02 -338.65,-592.02 -313.65,-592.02 -288.65,-592.02 -263.65,-592.02 -238.65,-592.02 -213.65,-592.02 -188.65,-592.02 -163.65,-592.02 -138.65,-592.31 -113.65,-592.31 -88.65,-592.31 -63.65,-592.31 -38.65,-592.31 -13.65,-592.31 11.35,-592.31 36.35,-592.31 61.35,-592.31 86.35,-592.31 111.35,-592.31 136.11,-592.31 161.11,-592.31 186.11,-592.31 211.11,-592.31 236.11,-592.31 260.35,-592.31 285.35,-592.31 310.35,-592.31 335.35,-592.31 360.35,-592.31 385.35,-592.31 410.35,-592.31 -413.65,-564.24 -388.65,-564.24 -363.65,-564.24 -338.65,-564.24 -313.65,-564.24 -288.65,-564.24 -263.65,-564.24 -238.65,-564.24 -213.65,-564.24 -188.65,-564.24 -163.65,-564.24 -138.65,-564.53 -113.65,-564.53 -88.65,-564.53 -63.65,-564.53 -38.65,-564.53 -13.65,-564.53 11.35,-564.53 36.35,-564.53 61.35,-564.53 86.35,-564.53 111.35,-564.53 136.11,-564.53 161.11,-564.53 186.11,-564.53 211.11,-564.53 236.11,-564.53 260.35,-564.53 285.35,-564.53 310.35,-564.53 335.35,-564.53 360.35,-564.53 385.35,-564.53 410.35,-564.53 -413.65,-536.46 -388.65,-536.46 -363.65,-536.46 -338.65,-536.46 -313.65,-536.46 -288.65,-536.46 -263.65,-536.46 -238.65,-536.46 -213.65,-536.46 -188.65,-536.46 -163.65,-536.46 -138.65,-536.75 -113.65,-536.75 -88.65,-536.75 -63.65,-536.75 -38.65,-536.75 -13.65,-536.75 11.35,-536.75 36.35,-536.75 61.35,-536.75 86.35,-536.75 111.35,-536.75 136.11,-536.75 161.11,-536.75 186.11,-536.75 211.11,-536.75 236.11,-536.75 260.35,-536.75 285.35,-536.75 310.35,-536.75 335.35,-536.75 360.35,-536.75 385.35,-536.75 410.35,-536.75 -138.65,-508.98 -113.65,-508.98 -88.65,-508.98 -63.65,-508.98 -38.65,-508.98 -13.65,-508.98 11.35,-508.98 36.35,-508.98 61.35,-508.98 86.35,-508.98 111.35,-508.98 136.11,-508.98 161.11,-508.98 186.11,-508.98 211.11,-508.98 236.11,-508.98 260.35,-508.98 285.35,-508.98 310.35,-508.98 335.35,-508.98 360.35,-508.98 385.35,-508.98 410.35,-508.98 -413.65,-508.68 -388.65,-508.68 -363.65,-508.68 -338.65,-508.68 -313.65,-508.68 -288.65,-508.68 -263.65,-508.68 -238.65,-508.68 -213.65,-508.68 -188.65,-508.68 -163.65,-508.68 -413.65,-480.9 -388.65,-480.9 -363.65,-480.9 -338.65,-480.9 -313.65,-480.9 -288.65,-480.9 -263.65,-480.9 -238.65,-480.9 -213.65,-480.9 -188.65,-480.9 -163.65,-480.9 -138.65,-481.2 -113.65,-481.2 -88.65,-481.2 -63.65,-481.2 -38.65,-481.2 -13.65,-481.2 11.35,-481.2 36.35,-481.2 61.35,-481.2 86.35,-481.2 111.35,-481.2 136.11,-481.2 161.11,-481.2 186.11,-481.2 211.11,-481.2 236.11,-481.2 260.35,-481.2 285.35,-481.2 310.35,-481.2 335.35,-481.2 360.35,-481.2 385.35,-481.2 410.35,-481.2 -413.65,-453.13 -388.65,-453.13 -363.65,-453.13 -338.65,-453.13 -313.65,-453.13 -288.65,-453.13 -263.65,-453.13 -238.65,-453.13 -213.65,-453.13 -188.65,-453.13 -163.65,-453.13 -138.65,-453.42 -113.65,-453.42 -88.65,-453.42 -63.65,-453.42 -38.65,-453.42 -13.65,-453.42 11.35,-453.42 36.35,-453.42 61.35,-453.42 86.35,-453.42 111.35,-453.42 136.11,-453.42 161.11,-453.42 186.11,-453.42 211.11,-453.42 236.11,-453.42 260.35,-453.42 285.35,-453.42 310.35,-453.42 335.35,-453.42 360.35,-453.42 385.35,-453.42 410.35,-453.42 -413.65,-425.35 -388.65,-425.35 -363.65,-425.35 -338.65,-425.35 -313.65,-425.35 -288.65,-425.35 -263.65,-425.35 -238.65,-425.35 -213.65,-425.35 -188.65,-425.35 -163.65,-425.35 -138.65,-425.64 -113.65,-425.64 -88.65,-425.64 -63.65,-425.64 -38.65,-425.64 -13.65,-425.64 11.35,-425.64 36.35,-425.64 61.35,-425.64 86.35,-425.64 111.35,-425.64 136.11,-425.64 161.11,-425.64 186.11,-425.64 211.11,-425.64 236.11,-425.64 260.35,-425.64 285.35,-425.64 310.35,-425.64 335.35,-425.64 360.35,-425.64 385.35,-425.64 410.35,-425.64 -138.65,-397.86 -113.65,-397.86 -88.65,-397.86 -63.65,-397.86 -38.65,-397.86 -13.65,-397.86 11.35,-397.86 36.35,-397.86 61.35,-397.86 86.35,-397.86 111.35,-397.86 136.11,-397.86 161.11,-397.86 186.11,-397.86 211.11,-397.86 236.11,-397.86 260.35,-397.86 285.35,-397.86 310.35,-397.86 335.35,-397.86 360.35,-397.86 385.35,-397.86 410.35,-397.86 -413.65,-397.57 -388.65,-397.57 -363.65,-397.57 -338.65,-397.57 -313.65,-397.57 -288.65,-397.57 -263.65,-397.57 -238.65,-397.57 -213.65,-397.57 -188.65,-397.57 -163.65,-397.57 -413.65,-369.79 -388.65,-369.79 -363.65,-369.79 -338.65,-369.79 -313.65,-369.79 -288.65,-369.79 -263.65,-369.79 -238.65,-369.79 -213.65,-369.79 -188.65,-369.79 -163.65,-369.79 -138.65,-370.09 -113.65,-370.09 -88.65,-370.09 -63.65,-370.09 -38.65,-370.09 -13.65,-370.09 11.35,-370.09 36.35,-370.09 61.35,-370.09 86.35,-370.09 111.35,-370.09 136.11,-370.09 161.11,-370.09 186.11,-370.09 211.11,-370.09 236.11,-370.09 260.35,-370.09 285.35,-370.09 310.35,-370.09 335.35,-370.09 360.35,-370.09 385.35,-370.09 410.35,-370.09 -413.65,-342.02 -388.65,-342.02 -363.65,-342.02 -338.65,-342.02 -313.65,-342.02 -288.65,-342.02 -263.65,-342.02 -238.65,-342.02 -213.65,-342.02 -188.65,-342.02 -163.65,-342.02 -138.65,-342.31 -113.65,-342.31 -88.65,-342.31 -63.65,-342.31 -38.65,-342.31 -13.65,-342.31 11.35,-342.31 36.35,-342.31 61.35,-342.31 86.35,-342.31 111.35,-342.31 136.11,-342.31 161.11,-342.31 186.11,-342.31 211.11,-342.31 236.11,-342.31 260.35,-342.31 285.35,-342.31 310.35,-342.31 335.35,-342.31 360.35,-342.31 385.35,-342.31 410.35,-342.31 -413.65,-314.2 -388.65,-314.2 -363.65,-314.2 -338.65,-314.2 -313.65,-314.2 -288.65,-314.2 -263.65,-314.2 -238.65,-314.2 -213.65,-314.2 -188.65,-314.2 -163.65,-314.2 -138.65,-314.49 -113.65,-314.49 -88.65,-314.49 -63.65,-314.49 -38.65,-314.49 -13.65,-314.49 11.35,-314.49 36.35,-314.49 61.35,-314.49 86.35,-314.49 111.35,-314.49 136.11,-314.49 161.11,-314.49 186.11,-314.49 211.11,-314.49 236.11,-314.49 260.35,-314.49 285.35,-314.49 310.35,-314.49 335.35,-314.49 360.35,-314.49 385.35,-314.49 410.35,-314.49 -413.65,-286.42 -388.65,-286.42 -363.65,-286.42 -338.65,-286.42 -313.65,-286.42 -288.65,-286.42 -263.65,-286.42 -238.65,-286.42 -213.65,-286.42 -188.65,-286.42 -163.65,-286.42 -138.65,-286.71 -113.65,-286.71 -88.65,-286.71 -63.65,-286.71 -38.65,-286.71 -13.65,-286.71 11.35,-286.71 36.35,-286.71 61.35,-286.71 86.35,-286.71 111.35,-286.71 136.11,-286.71 161.11,-286.71 186.11,-286.71 211.11,-286.71 236.11,-286.71 260.35,-286.71 285.35,-286.71 310.35,-286.71 335.35,-286.71 360.35,-286.71 385.35,-286.71 410.35,-286.71 -88.65,-258.93 -63.65,-258.93 -38.65,-258.93 -13.65,-258.93 11.35,-258.93 36.35,-258.93 61.35,-258.93 86.35,-258.93 285.35,-258.93 310.35,-258.93 335.35,-258.93 360.35,-258.93 385.35,-258.93 410.35,-258.93 -413.65,-258.64 -388.65,-258.64 -363.65,-258.64 -338.65,-258.64 -313.65,-258.64 -288.65,-258.64 -388.65,-233.57 -363.65,-233.57 -338.65,-233.57 -313.65,-233.57 -313.65,-233.28 -288.65,-233.57 -288.65,-233.28 -88.65,-233.57 -63.65,-233.57 -38.65,-233.57 -13.65,-233.57 11.35,-233.57 36.35,-233.57 61.35,-233.57 86.35,-233.57 285.35,-233.57 310.35,-233.57 335.35,-233.57 360.35,-233.57 385.35,-233.57 -2138,543.7 -2110.22,543.7 -2082.44,543.7 -2054.67,543.7 -2026.89,543.7 -1998.67,543.7 -1970.89,543.7 -1943.11,543.7 -1915.33,543.7 -1887.56,543.7 -1859.78,543.7 -2138,570.7 -2110.22,570.7 -2082.44,570.7 -2054.67,570.7 -2026.89,570.7 -1998.67,570.7 -1970.89,570.7 -1943.11,570.7 -1915.33,570.7 -1887.56,570.7 -1859.78,570.7 -2138,597 -2110.22,597 -2082.44,597 -2054.67,597 -2026.89,597 -1998.67,597 -1970.89,597 -1943.11,597 -1915.33,597 -1887.56,597 -1859.78,597 -2138,622 -2110.22,622 -2082.44,622 -2054.67,622 -2026.89,622 -1998.67,622 -1970.89,622 -1943.11,622 -1915.33,622 -1887.56,622 -1859.78,622 -2138,647 -2110.22,647 -2082.44,647 -2054.67,647 -2026.89,647 -1998.67,647 -1970.89,647 -1943.11,647 -1915.33,647 -1887.56,647 -1859.78,647 -2138,672 -2110.22,672 -2082.44,672 -2054.67,672 -2026.89,672 -1998.67,672 -1970.89,672 -1943.11,672 -1915.33,672 -1887.56,672 -1859.78,672 -2138,697 -2110.22,697 -2082.44,697 -2054.67,697 -2026.89,697 -1998.67,697 -1970.89,697 -1943.11,697 -1915.33,697 -1887.56,697 -1859.78,697 -2138,722 -2110.22,722 -2082.44,722 -2054.67,722 -2026.89,722 -1998.67,722 -1970.89,722 -1943.11,722 -1915.33,722 -1887.56,722 -1859.78,722 -2138,747 -2110.22,747 -2082.44,747 -2054.67,747 -2026.89,747 -1998.67,747 -1970.89,747 -1943.11,747 -1915.33,747 -1887.56,747 -1859.78,747 -2138,772 -2110.22,772 -2082.44,772 -2054.67,772 -2026.89,772 -1998.67,772 -1970.89,772 -1943.11,772 -1915.33,772 -1887.56,772 -1859.78,772 -2138,797 -2110.22,797 -2082.44,797 -2054.67,797 -2026.89,797 -1998.67,797 -1970.89,797 -1943.11,797 -1915.33,797 -1887.56,797 -1859.78,797
pads on no net: Bz1. D1. D4. D5. D6. D7. D8. GD1.5 GD1.6 GD1.@703.33,-1774.54 GD1.@782.07,-1774.54 GD1.@860.81,-1774.54 GD1.@939.55,-1774.54 GD2.5 GD2.6 GD2.@36.96,-1774.53 GD2.@-41.78,-1774.53 GD2.@-120.52,-1774.53 GD2.@-199.26,-1774.53 Lp. Lp.1a Lp.2 Lp.2a Lp.3a Lp.4a Lp.6 Lp.6a Lp.7a Lp.9a Lp.11 Lp.12 Lp.12a Lp.13 Lp.14 Lp.14a Lp.15 Lp.15a Lp.16a Lp.17a Lp.18a Lp.19a Lp.20a Sc. Sc.8 Sc.9 Sc.10 Sc.11 U1.5 U1.8 U2.5 U2.8 U3.5 U3.8

## Polygon pours and split planes (outlines as drawn)
GND on Bottom Layer "Bottom Layer-GND" (solid, pour order 0): -61,-2175 -61,-3266 680,-3266 680,-2175

## Other copper
Top Layer:
  rectangle net Voutn: -1727,-1301 -1408,-902
  region net +: -845,1249 -845,1590 5.06,1590 5.06,1264.06 cw(c-139.83,1266.89) -137,1122 -544,1122 -671,1249
  region net VoutP: 422.35,-221.28 280.72,-221.28 cw(c190.72,-183.99) 228,-274 cw(c185,-170.19) 142,-274 cw(c179.28,-184) 89.28,-221.28 -94.28,-221.28 cw(c-184.27,-184.01) -147,-274 cw(c-189.5,-171.4) -232,-274 cw(c-194.72,-184) -284.72,-221.28 -425.65,-221.28 -425.65,-659.25 422.35,-659.25
  region net NetD6_2: -1159,103 -509.81,103 -509.81,433.81 ccw(c-538,433.81) -538,462 -1159,461.52
  region net Voutn: -1714,811 -1714,526.03 -532.49,526.03 cw(c-532.49,435.51) -442,438 -442,364 -19,364 -413.5,758.5 ccw(c-528.6,659.86) -517,811 -1270,811
  region net Fase: -844,1063 -844,876 -399.59,876 9.43,466.98 359,466.98 359,593 359,793.81 189.19,793.81 cw(c207.39,921.2) 80,903 80,1063 -111,1063
  region net VoutP: -284,-61 -469.04,-61 -570.04,40 -1203,40 cw(c-1203,682) -1845,682 -1845,-732 cw(c-1299,-732) -1299,-186 -704,-186 -636,-254 -473.86,-254 -422.91,-286.42 -284,-286.42
  region net GND: -389,-2821 -362.5,-2806.5 -348,-2821 -348.44,-3074.44 -276,-3074.44 -181.28,-3074.44 cw(c-181.28,-3109) -146.72,-3109 -146.72,-3145 -196,-3145 -196,-3143 ccw(c-230,-3143) -230,-3109 -276,-3109 -348,-3109 -348,-3168 -448,-3268 -448,-3174 -448,-3143 -412,-3143 -391,-3122 -391,-2821
  region net +12V: -545,-2780 -545,-2782 -536,-2791 -536,-2946 -515,-2974 -515,-3070 -506,-3079 -409,-3079 -409,-3119 -529.92,-3119 -547,-3136.08 -547,-3245.24 -597,-3245.24 -597,-3136.08 -575,-3114.08 -575,-2779
  region net +5V: -335,-2786 -344,-2777 -344,-2750 -294,-2750 -264,-2720 -264,-2884 -293,-2884 -335,-2884
  region net NetD9_A: -403,-2884 -403,-2844 -423,-2824 -422,-2823 -422,-2780 -392,-2750 -374,-2750 -374,-2718 -451.99,-2718 -454,-2720 -454,-2876 -446,-2884
  region net VoutP: 280.72,-221.28 280.72,-91.28 283,-89 443,-89 443,-200.92 410.35,-233.57
  region net VoutP: -96.32,-225.6 -96.32,-88.32 -95,-87 -86,-96 93.36,-96 93.36,-232.55 98.67,-237.86
  region net VoutP: -308,-64 -295,-51 294,-50 305,-61 443,-61 443,-115 302.5,-115 293.5,-106 -308,-106
  region net VoutP: -1838.42,810 -1843,-1300 -2159,-1300 -2159,810
  region net Neutro: 150,975 150,1590 1181,1590 1181,1134 955.83,1134 685,867 258,867
  region net +5V: 672,-3239.84 599.69,-3239.84 599.69,-3180 660.69,-3180 672,-3191.31
  region net GND: 670.69,-3139.84 663.54,-3147 599.69,-3147 599.69,-3080 660.69,-3080 670.69,-3090
  region net 3V3: 1014,-3190.16 1021.16,-3183 1085,-3183 1085,-3240 1014,-3240
  region net GND: 192.35,-2324 302.35,-2324 302.34,-3267.71 -192,-3267.71 -192,-3200.06 192.34,-3200.06
  region net NetD1_2: 1180.35,479.72 511.5,479.72 511.5,65.72 1180.35,65.72
  region net NetD1_2: 1181.35,-1288.26 830.16,-1288.26 830.16,-1702.26 1181.35,-1702.26
  region net NetD6_2: -1182.65,-1736 -831.46,-1736 -831.46,-1322 -1182.65,-1322
  region net NetD1_1: 416.65,-1518.99 416.65,-1688.99 764.35,-1688.99 764.35,-1512 708.35,-1512 708.35,-1363 153,-1363 153,-1688.99 180.35,-1688.99 275.35,-1688.99 275.35,-1518.99
  region net NetD4_1: 1181,-1201 1181,-150 803.56,-150 635,-263 487.35,-263 487.35,-440 554,-440 554,-1052 453,-1153 313,-1153 313,-1293 702,-1293 794,-1201
  region net NetD5_1: -1182.65,-480.9 -1182.65,-1243 -742.71,-1243 -693.71,-1292 -348,-1292 -348,-1153 -458,-1153 -570.65,-1040.35 -570.65,-598 -493.65,-598 -493.65,-480.9 -570.65,-480 -570.65,-321 -699,-321 -775,-245 -1182.65,-245 -1182.65,-321
  region: -1130.65,-116
  region net Voutn: -444.43,286 -444.43,401.72 367,401.72 367,244.72 445.35,244.72 445.35,45 -444.43,45 -444.43,100 -378.13,100 -377.78,286
  region: -356.65,-1289
  region net NetD6_1: -485.35,-1519 -485.35,-1689 -152,-1689 -152,-1362.11 -767.65,-1362.11 -767.65,-1501 -707,-1501 -707,-1689 -626.65,-1689 -626.65,-1519
Bottom Layer:
  region net +: -663,1241 -663,1590 -94,1590 -94,1318 cw(c-246,1318) -246,1166 -588,1166
  region net VoutP: 422.35,-252.62 391,-221.28 280.72,-221.28 cw(c190.72,-184) 228,-274 cw(c185,-170.2) 142,-274 cw(c179.28,-184) 89.28,-221.28 -94.28,-221.28 cw(c-184.27,-184.01) -147,-274 cw(c-189.5,-171.41) -232,-274 cw(c-194.72,-183.99) -284.72,-221.28 -393.28,-221.28 -425.65,-253.65 -425.65,-659.25 422.35,-659.25
  region net Fase: 767,-1030 201.99,-1030 cw(c201.99,-979.01) 151,-979.01 151,-825.88 cw(c226,-826) 226,-751 488,-751 488,-229 418,-159 330,-159 251,-80 65,-80 65,739 cw(c109,739) 109,783 388,783 388,125 534.86,-21.86 767,-21.5
  region net Neutro: -764,-1032 -199,-1032 ccw(c-199,-983.01) -150,-983 -150,-826 ccw(c-223.96,-825.99) -223.98,-752.02 -490,-752.43 -490,-229 -419,-158 -330.33,-158 -252.33,-80 -33,-80 -33,808 cw(c23.99,808) 24,865 683.71,865 955,1136.29 1181,1134 1181,1590 24,1590 24,1320.98 cw(c-223.97,1320.97) -223.98,1073 -405.92,1073 -405.92,128.08 -557,-23 -764,-23
  region net Voutn: -1263,1590 -1263,1209 -1409,1063 -1409,-1298 -1724,-1298.33 -1724,1590
  region net NetD1_1: 152,-1690 152,-1244 765.35,-1244 765.35,-1690
  region net NetD6_1: -764,-1689 -764,-1244 -153,-1244 -153,-1689
  region net NetD1_2: 1181.35,565 830.16,565 449,565 449,157 572,34 830.16,34 830.16,-1703 1181.35,-1703
  region net NetD6_2: -1179.65,-1736 -832,-1736 -832,49 -580,49 -470,159 -470,534 -1179.65,534
  region net +12V: -575,-3082 -278,-3082 -243,-3117 -243,-3185 -301,-3185 -301,-3152 -311,-3142 -575,-3142
  region net VoutP: -1843,1589.99 -1843,-1300 -2158,-1300 -2158,1062 -2301,1205 -2301,1589.99 -2158,1589.99
  region net 3V3: 1005,-3183 1085,-3183 1085,-3250 1016,-3250 1005,-3239

## Silkscreen, mask and mechanical layers (free items; w line width, h text height)
Top Overlay:
  rectangle: 293.61,-1361.25 577.08,-1291.99
  rectangle: -608.39,-1361.26 -324.92,-1292
  region: 832,-1664.51 832,-1344 759.35,-1344 759.35,-1664.51
  region: -439,104.52 -439,424.52 -501.99,424.52 -501.99,104.52
  region: 503.69,104 503.69,422.72 440.69,422.72 440.69,104
  region: -831.46,-1361.33 -831.46,-1676.29 -768,-1676.29 -768,-1361.33
  region: 494,-619.12 494,-298.61 421.35,-298.61 421.35,-619.12
  region: -425,-624 -425,-302.9 -497,-302.9 -497,-624
  lines w3.94: -1136.15,-1200 -1073.16,-1200 ; -530.65,-990 -467.66,-990 ; -354.65,-1154.5 -354.65,-1091.5 ; 299.35,-1154.5 299.35,-1091.5
Top Solder:
  rectangle: 310.75,150 387.42,213
  rectangle: -381,307 -304.33,370
  rectangle: -817,920 -440,1021
  region: -792,1289 -792,1426 -694,1524 -510,1524 -505,1519 -505,1233 -616,1233 -669,1180
  region: -187.5,986.5 313.49,485.51 178.49,485.51 -255,919
  region: -1328.5,743 -479,743 96,168 96,51 -57,51 -57,168 -485,596 -1706,596 -1706,743
  region: -2024.43,7 -639,7 -491,-141 -300,-141 -300,-230 -555,-230 -659,-126 -2024.43,-126
Bottom Solder:
  region: -456.69,1131.12 cw(c-456.69,1349.21) -674.79,1349.21 cw(c-456.69,1349.21) -456.69,1567.31 cw(c-456.69,1349.21) -238.6,1349.21 cw(c-456.69,1349.21)
  region: -1500,1131.12 cw(c-1500,1349.21) -1718.09,1349.21 cw(c-1500,1349.21) -1500,1567.31 cw(c-1500,1349.21) -1281.91,1349.21 cw(c-1500,1349.21)
  region: -2066.93,1131.12 cw(c-2066.93,1349.21) -2285.02,1349.21 cw(c-2066.93,1349.21) -2066.93,1567.31 cw(c-2066.93,1349.21) -1848.83,1349.21 cw(c-2066.93,1349.21)
  region: 422.35,-258.27 385.35,-221.27 280.72,-221.28 cw(c190.72,-184) 228,-274 cw(c185,-170.21) 142,-274 cw(c179.28,-184) 89.28,-221.28 -94.28,-221.28 cw(c-184.27,-184.01) -147,-274 cw(c-189.5,-171.41) -232,-274 cw(c-194.72,-183.99) -284.72,-221.28 -388.65,-221.27 -425.65,-258.27 -425.65,-659.25 422.35,-659.25
  region: 152,-1690 152,-1244 765.35,-1244 765.35,-1690
  region: -769.65,-1689 -769.65,-1244 -153,-1244 -153,-1689
  region: 1181.35,565 830.16,565 449,565 449,157 572,34 830.16,34 830.16,-1703 1181.35,-1703
  region: -1179.65,-1736 -828.46,-1736 -828.46,49 -580,49 -470,159 -470,534 -1179.65,534
  region: -2065.07,-923.4 -2065.07,1297 -1928.07,1297 -1928.07,-926.67
  region: -1632,-923.4 -1632,1297 -1495,1297 -1495,-926.67
Mechanical 1:
  the board outline again, w10